# Altium PCB ISS_LAB_PCB.PcbDoc (part 2 of 8)
Units mm, origin at the board's own origin, x right, y up, seen from the top; angles counter-clockwise.
Board outline 247.67 x 135.97 mm, 2 copper layers (Top Layer, Bottom Layer); 165 components, 0 nets, 6045 pads, 3214 vias.
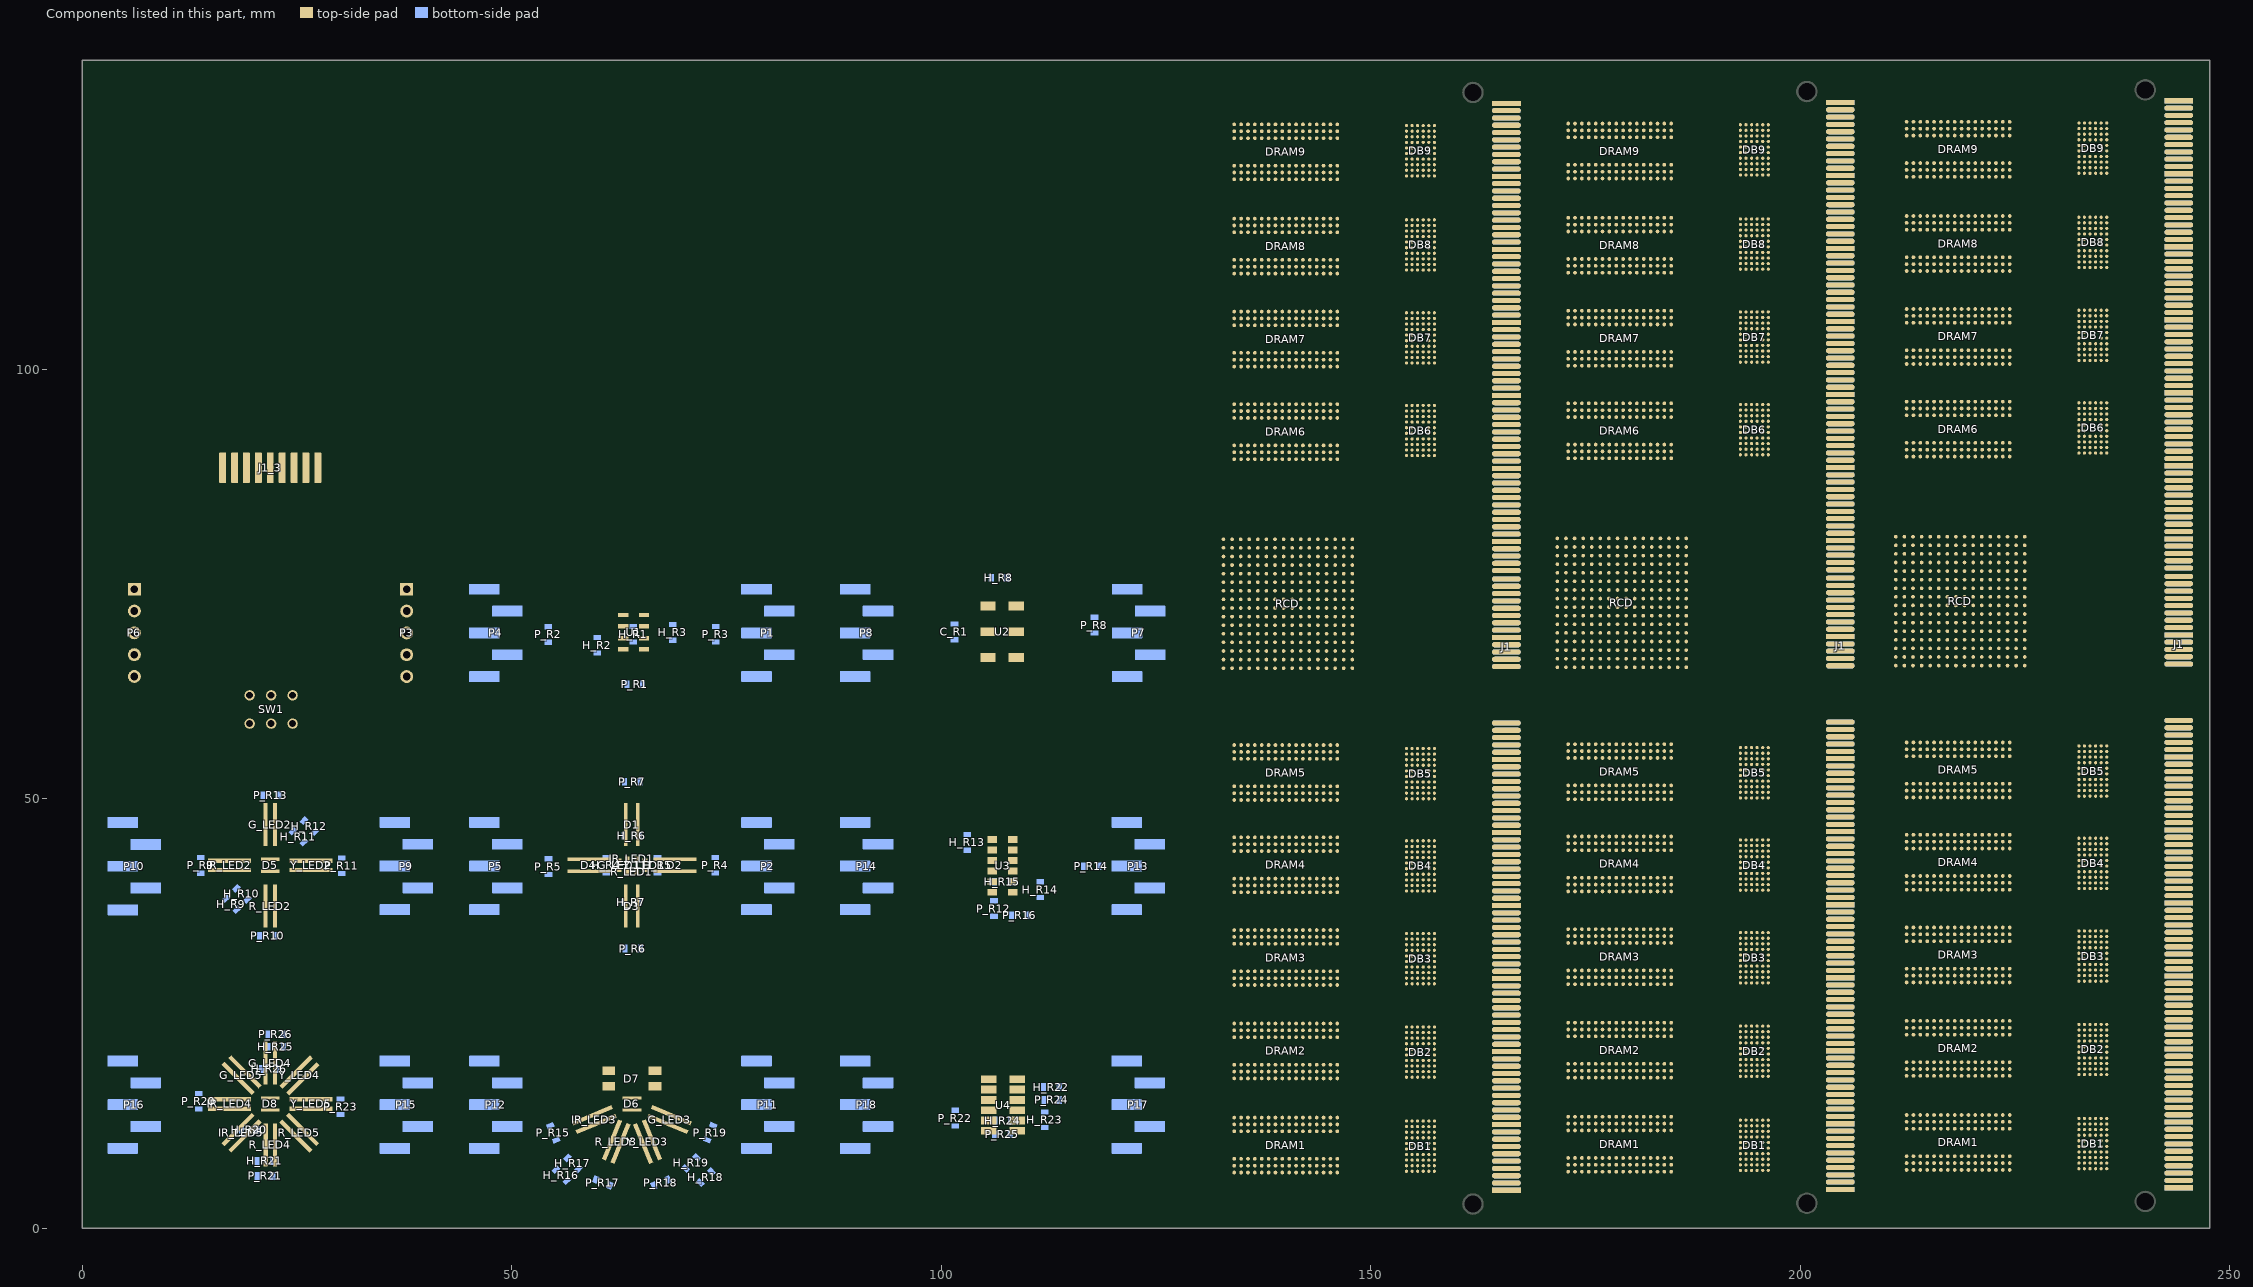
[diagram p2: the components of this part, seen from the top]

## Via types
v1: diameter 0.45, hole 0.203, Top Layer to Bottom Layer, 2685 vias
v2: diameter 1, hole 0.6, Top Layer to Bottom Layer, tented both sides, 414 vias
v3: diameter 0.6, hole 0.3, Top Layer to Bottom Layer, 52 vias
v4: diameter 0.6, hole 0.3, Top Layer to Bottom Layer, tented top, 33 vias
v5: diameter 0.8, hole 0.4, Top Layer to Bottom Layer, 21 vias
v6: diameter 3.5, hole 3.1, Top Layer to Bottom Layer, 3 vias
v7: diameter 2, hole 1.6, Top Layer to Bottom Layer, 3 vias
v8: diameter 1, hole 0.5, Top Layer to Bottom Layer, 3 vias

## Nets (pads, with @x,y where several pads share a name; then routed paths per layer and width w, separated by ;. In a path a pad name is that pad's centre, name@x,y a point inside that pad or via, vN(x,y) a via of type N, cw(c..) or ccw(c..) an arc to the next point about the centre after c; other vN are vias at no path point) (continued)
copper on no net: | length 16421.5